# Altium PCB host_board.PcbDoc (part 7 of 8)
Units mm, origin at the board's own origin, x right, y up, seen from the top; angles counter-clockwise.
Board outline 87.41 x 55.77 mm, 4 copper layers (Top Layer, GND, Power, Bottom Layer), stack 1.59 mm thick; 232 components, 252 nets, 1101 pads, 689 vias.
Unrouted connection lines stored in the file: 17.
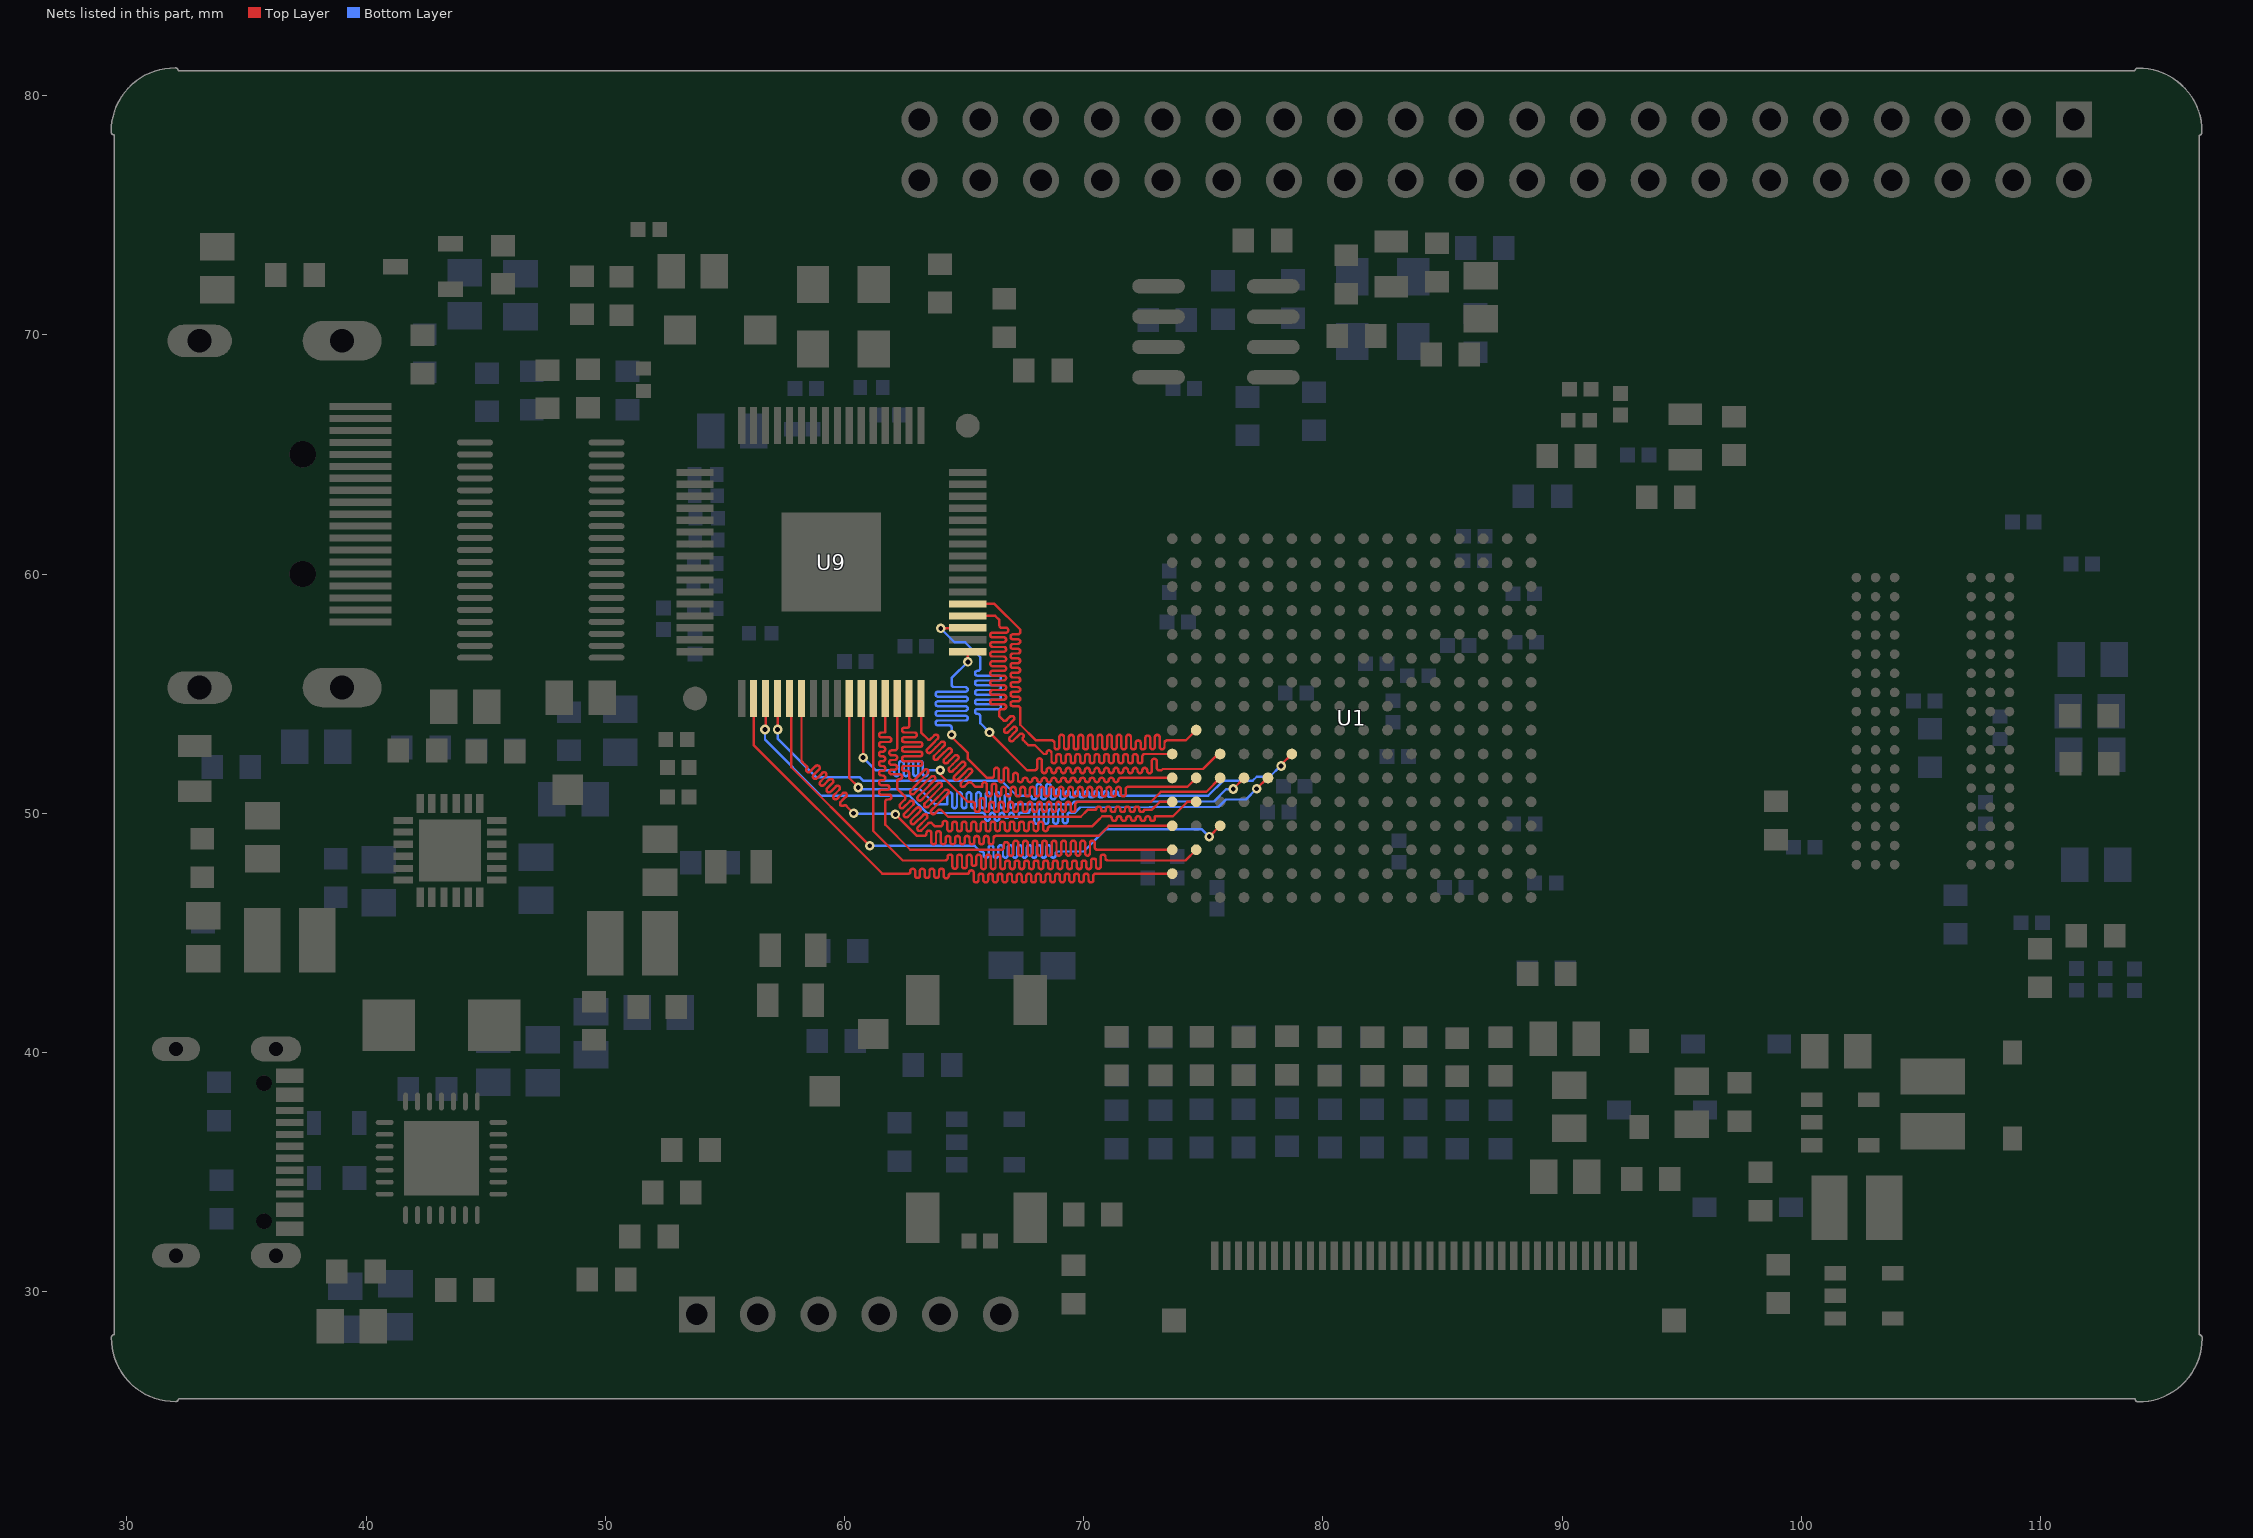
[diagram p9: the nets of this part, all layers, seen from the top]

## Via types
v1: diameter 0.4, hole 0.2, Top Layer to Bottom Layer, tented both sides, 664 vias
v2: diameter 0.5, hole 0.2, Top Layer to Bottom Layer, 9 vias
v3: diameter 0.4, hole 0.2, Top Layer to Bottom Layer, 7 vias
v4: diameter 0.4/0.4/0.4/0.4 (per signal layer), hole 0.2, Top Layer to Bottom Layer, tented both sides, 5 vias
v5: diameter 3, hole 3, Top Layer to Bottom Layer, tented both sides, 4 vias

## Nets (pads, with @x,y where several pads share a name; then routed paths per layer and width w, separated by ;. In a path a pad name is that pad's centre, name@x,y a point inside that pad or via, vN(x,y) a via of type N, cw(c..) or ccw(c..) an arc to the next point about the centre after c; other vN are vias at no path point) (continued)
HDMI_D5: U1.H15 U9.37 | length 31.1
  Top Layer w0.1: U9.37@65.15,58.75 66.266,58.75 67.343,57.674 67.343,57.625 67.343,57.575 cw(c67.243,57.575) 67.243,57.475 67.036,57.475 ccw(c67.036,57.375) 66.936,57.375 ccw(c67.036,57.375) 67.036,57.275 67.243,57.275 cw(c67.243,57.175) 67.343,57.175 cw(c67.243,57.175) 67.243,57.075 67.036,57.075 ccw(c67.036,56.975) 66.936,56.975 ccw(c67.036,56.975) 67.036,56.875 67.243,56.875 cw(c67.243,56.775) 67.343,56.775 cw(c67.243,56.775) 67.243,56.675 67.036,56.675 ccw(c67.036,56.575) 66.936,56.575 ccw(c67.036,56.575) 67.036,56.475 67.243,56.475 cw(c67.243,56.375) 67.343,56.375 cw(c67.243,56.375) 67.243,56.275 67.036,56.275 ccw(c67.036,56.175) 66.936,56.175 ccw(c67.036,56.175) 67.036,56.075 67.243,56.075 cw(c67.243,55.975) 67.343,55.975 cw(c67.243,55.975) 67.243,55.875 67.036,55.875 ccw(c67.036,55.775) 66.936,55.775 ccw(c67.036,55.775) 67.036,55.675 67.243,55.675 cw(c67.243,55.575) 67.343,55.575 cw(c67.243,55.575) 67.243,55.475 67.036,55.475 ccw(c67.036,55.375) 66.936,55.375 ccw(c67.036,55.375) 67.036,55.275 67.243,55.275 cw(c67.243,55.175) 67.343,55.175 cw(c67.243,55.175) 67.243,55.075 67.036,55.075 ccw(c67.036,54.975) 66.936,54.975 ccw(c67.036,54.975) 67.036,54.875 67.243,54.875 cw(c67.243,54.775) 67.343,54.775 cw(c67.243,54.775) 67.243,54.675 67.036,54.675 ccw(c67.036,54.575) 66.936,54.575 ccw(c67.036,54.575) 67.036,54.475 67.243,54.475 cw(c67.243,54.375) 67.343,54.375 67.343,53.7 68.001,53.042 68.65,53.042 68.675,53.042 cw(c68.675,52.942) 68.775,52.942 68.775,52.768 ccw(c68.875,52.768) 68.875,52.668 ccw(c68.875,52.768) 68.975,52.768 68.975,53.042 68.975,53.178 cw(c69.075,53.178) 69.075,53.278 cw(c69.075,53.178) 69.175,53.178 69.175,53.042 69.175,52.768 ccw(c69.275,52.768) 69.275,52.668 ccw(c69.275,52.768) 69.375,52.768 69.375,53.042 69.375,53.178 cw(c69.475,53.178) 69.475,53.278 cw(c69.475,53.178) 69.575,53.178 69.575,53.042 69.575,52.768 ccw(c69.675,52.768) 69.675,52.668 ccw(c69.675,52.768) 69.775,52.768 69.775,53.042 69.775,53.178 cw(c69.875,53.178) 69.875,53.278 cw(c69.875,53.178) 69.975,53.178 69.975,53.042 69.975,52.768 ccw(c70.075,52.768) 70.075,52.668 ccw(c70.075,52.768) 70.175,52.768 70.175,53.042 70.175,53.178 cw(c70.275,53.178) 70.275,53.278 cw(c70.275,53.178) 70.375,53.178 70.375,53.042 70.375,52.768 ccw(c70.475,52.768) 70.475,52.668 ccw(c70.475,52.768) 70.575,52.768 70.575,53.042 70.575,53.178 cw(c70.675,53.178) 70.675,53.278 cw(c70.675,53.178) 70.775,53.178 70.775,53.042 70.775,52.768 ccw(c70.875,52.768) 70.875,52.668 ccw(c70.875,52.768) 70.975,52.768 70.975,53.042 70.975,53.178 cw(c71.075,53.178) 71.075,53.278 cw(c71.075,53.178) 71.175,53.178 71.175,53.042 71.175,52.768 ccw(c71.275,52.768) 71.275,52.668 ccw(c71.275,52.768) 71.375,52.768 71.375,53.042 71.375,53.178 cw(c71.475,53.178) 71.475,53.278 cw(c71.475,53.178) 71.575,53.178 71.575,53.042 71.575,52.768 ccw(c71.675,52.768) 71.675,52.668 ccw(c71.675,52.768) 71.775,52.768 71.775,53.042 71.775,53.178 cw(c71.875,53.178) 71.875,53.278 cw(c71.875,53.178) 71.975,53.178 71.975,53.042 71.975,52.768 ccw(c72.075,52.768) 72.075,52.668 ccw(c72.075,52.768) 72.175,52.768 72.175,52.942 cw(c72.275,52.942) 72.275,53.042 cw(c72.275,52.942) 72.375,52.942 72.375,52.768 ccw(c72.475,52.768) 72.475,52.668 ccw(c72.475,52.768) 72.575,52.768 72.575,53.042 72.575,53.149 cw(c72.675,53.149) 72.675,53.249 cw(c72.675,53.149) 72.775,53.149 72.775,53.042 72.775,52.775 ccw(c72.875,52.775) 72.875,52.675 ccw(c72.875,52.775) 72.975,52.775 72.975,53.042 72.975,53.175 cw(c73.075,53.175) 73.075,53.275 cw(c73.075,53.175) 73.175,53.175 73.175,53.042 73.175,52.775 ccw(c73.275,52.775) 73.275,52.675 ccw(c73.275,52.775) 73.375,52.775 73.375,52.942 cw(c73.475,52.942) 73.475,53.042 74.267,53.042 U1.H15@74.7,53.475
HDMI_D6: U1.G16 U9.36 | length 31.8
  Top Layer w0.1: U9.36@65.15,58.25 66.3,58.25 66.475,58.075 66.475,57.975 66.475,57.95 66.475,57.85 ccw(c66.575,57.85) 66.575,57.75 66.746,57.75 cw(c66.746,57.65) 66.846,57.65 cw(c66.746,57.65) 66.746,57.55 66.475,57.55 66.191,57.55 ccw(c66.191,57.45) 66.091,57.45 ccw(c66.191,57.45) 66.191,57.35 66.475,57.35 66.656,57.35 cw(c66.656,57.25) 66.756,57.25 cw(c66.656,57.25) 66.656,57.15 66.475,57.15 66.191,57.15 ccw(c66.191,57.05) 66.091,57.05 ccw(c66.191,57.05) 66.191,56.95 66.475,56.95 66.656,56.95 cw(c66.656,56.85) 66.756,56.85 cw(c66.656,56.85) 66.656,56.75 66.475,56.75 66.191,56.75 ccw(c66.191,56.65) 66.091,56.65 ccw(c66.191,56.65) 66.191,56.55 66.475,56.55 66.656,56.55 cw(c66.656,56.45) 66.756,56.45 cw(c66.656,56.45) 66.656,56.35 66.475,56.35 66.191,56.35 ccw(c66.191,56.25) 66.091,56.25 ccw(c66.191,56.25) 66.191,56.15 66.475,56.15 66.656,56.15 cw(c66.656,56.05) 66.756,56.05 cw(c66.656,56.05) 66.656,55.95 66.475,55.95 66.191,55.95 ccw(c66.191,55.85) 66.091,55.85 ccw(c66.191,55.85) 66.191,55.75 66.475,55.75 66.656,55.75 cw(c66.656,55.65) 66.756,55.65 cw(c66.656,55.65) 66.656,55.55 66.475,55.55 66.191,55.55 ccw(c66.191,55.45) 66.091,55.45 ccw(c66.191,55.45) 66.191,55.35 66.475,55.35 66.656,55.35 cw(c66.656,55.25) 66.756,55.25 cw(c66.656,55.25) 66.656,55.15 66.475,55.15 66.191,55.15 ccw(c66.191,55.05) 66.091,55.05 ccw(c66.191,55.05) 66.191,54.95 66.475,54.95 66.656,54.95 cw(c66.656,54.85) 66.756,54.85 cw(c66.656,54.85) 66.656,54.75 66.475,54.75 66.191,54.75 ccw(c66.191,54.65) 66.091,54.65 ccw(c66.191,54.65) 66.191,54.55 66.475,54.55 66.656,54.55 cw(c66.656,54.45) 66.756,54.45 cw(c66.656,54.45) 66.656,54.35 66.575,54.35 ccw(c66.575,54.25) 66.475,54.25 66.475,54.15 66.475,54.05 66.562,53.962 66.564,53.961 66.635,53.89 ccw(c66.706,53.961) 66.776,53.89 66.923,54.036 cw(c66.993,53.965) 67.064,54.036 cw(c66.993,53.965) 67.064,53.895 66.847,53.678 66.698,53.529 ccw(c66.769,53.458) 66.698,53.387 ccw(c66.769,53.458) 66.839,53.387 66.989,53.536 67.037,53.585 cw(c67.108,53.514) 67.178,53.585 cw(c67.108,53.514) 67.178,53.443 67.13,53.395 66.913,53.178 ccw(c66.984,53.107) 66.913,53.037 ccw(c66.984,53.107) 67.055,53.037 67.271,53.254 67.318,53.3 cw(c67.389,53.23) 67.46,53.3 cw(c67.389,53.23) 67.46,53.159 ccw(c67.506,53.112) 67.46,53.065 67.554,52.971 67.625,52.9 67.683,52.842 67.958,52.842 68.325,52.475 68.4,52.475 ccw(c68.4,52.525) 68.45,52.525 cw(c68.55,52.525) 68.55,52.625 cw(c68.55,52.525) 68.65,52.525 68.65,52.475 68.65,52.187 ccw(c68.75,52.187) 68.75,52.087 ccw(c68.75,52.187) 68.85,52.187 68.85,52.375 cw(c68.95,52.375) 68.95,52.475 cw(c68.95,52.375) 69.05,52.375 69.05,52.187 ccw(c69.15,52.187) 69.15,52.087 ccw(c69.15,52.187) 69.25,52.187 69.25,52.375 cw(c69.35,52.375) 69.35,52.475 cw(c69.35,52.375) 69.45,52.375 69.45,52.187 ccw(c69.55,52.187) 69.55,52.087 ccw(c69.55,52.187) 69.65,52.187 69.65,52.375 cw(c69.75,52.375) 69.75,52.475 cw(c69.75,52.375) 69.85,52.375 69.85,52.187 ccw(c69.95,52.187) 69.95,52.087 ccw(c69.95,52.187) 70.05,52.187 70.05,52.375 cw(c70.15,52.375) 70.15,52.475 cw(c70.15,52.375) 70.25,52.375 70.25,52.187 ccw(c70.35,52.187) 70.35,52.087 ccw(c70.35,52.187) 70.45,52.187 70.45,52.375 cw(c70.55,52.375) 70.55,52.475 cw(c70.55,52.375) 70.65,52.375 70.65,52.187 ccw(c70.75,52.187) 70.75,52.087 ccw(c70.75,52.187) 70.85,52.187 70.85,52.375 cw(c70.95,52.375) 70.95,52.475 cw(c70.95,52.375) 71.05,52.375 71.05,52.187 ccw(c71.15,52.187) 71.15,52.087 ccw(c71.15,52.187) 71.25,52.187 71.25,52.375 cw(c71.35,52.375) 71.35,52.475 cw(c71.35,52.375) 71.45,52.375 71.45,52.187 ccw(c71.55,52.187) 71.55,52.087 ccw(c71.55,52.187) 71.65,52.187 71.65,52.375 cw(c71.75,52.375) 71.75,52.475 cw(c71.75,52.375) 71.85,52.375 71.85,52.187 ccw(c71.95,52.187) 71.95,52.087 ccw(c71.95,52.187) 72.05,52.187 72.05,52.375 cw(c72.15,52.375) 72.15,52.475 cw(c72.15,52.375) 72.25,52.375 72.25,52.187 ccw(c72.35,52.187) 72.35,52.087 ccw(c72.35,52.187) 72.45,52.187 72.45,52.375 cw(c72.55,52.375) 72.55,52.475 U1.G16@73.7,52.475
HDMI_D7: U1.G14 U9.35 | length 30.3
  Top Layer w0.1: v1(64.025,57.725) 65.125,57.725 U9.35@65.15,57.75 ; v1@66.06,53.37 67.632,51.798 67.899,51.798 67.949,51.798 ccw(c67.949,51.898) 68.049,51.898 68.049,52.19 cw(c68.149,52.19) 68.249,52.19 68.249,51.775 ccw(c68.349,51.775) 68.449,51.775 68.449,51.797 cw(c68.549,51.797) 68.649,51.797 68.649,51.775 ccw(c68.749,51.775) 68.849,51.775 68.849,51.796 cw(c68.949,51.796) 69.049,51.796 69.049,51.775 ccw(c69.149,51.775) 69.249,51.775 69.249,51.796 cw(c69.349,51.796) 69.449,51.796 69.449,51.775 ccw(c69.549,51.775) 69.649,51.775 69.649,51.796 cw(c69.749,51.796) 69.849,51.796 69.849,51.775 ccw(c69.949,51.775) 70.049,51.775 70.049,51.796 cw(c70.149,51.796) 70.249,51.796 70.249,51.775 ccw(c70.349,51.775) 70.449,51.775 70.449,51.796 cw(c70.549,51.796) 70.649,51.796 70.649,51.775 ccw(c70.749,51.775) 70.849,51.775 70.849,51.796 cw(c70.949,51.796) 71.049,51.796 71.049,51.775 ccw(c71.149,51.775) 71.249,51.775 71.249,51.796 cw(c71.349,51.796) 71.449,51.796 71.449,51.775 ccw(c71.549,51.775) 71.649,51.775 71.649,51.796 cw(c71.749,51.796) 71.849,51.796 71.849,51.775 ccw(c71.949,51.775) 72.049,51.775 72.049,51.796 cw(c72.149,51.796) 72.249,51.796 72.249,51.775 ccw(c72.349,51.775) 72.449,51.775 72.449,51.796 cw(c72.549,51.796) 72.649,51.796 72.649,51.775 ccw(c72.749,51.775) 72.849,51.775 72.849,52.175 cw(c72.949,52.175) 73.049,52.175 73.049,51.898 ccw(c73.149,51.898) 73.149,51.798 73.25,51.798 73.302,51.85 73.477,51.85 74.983,51.85 75.608,52.475 U1.G14@75.7,52.475
  Bottom Layer w0.1: v1(64.025,57.725) 64.6,57.15 65.041,57.15 65.673,56.518 65.673,56.05 cw(c65.573,56.05) 65.573,55.95 65.553,55.95 ccw(c65.553,55.85) 65.453,55.85 ccw(c65.553,55.85) 65.553,55.75 65.673,55.75 66.442,55.75 cw(c66.442,55.65) 66.542,55.65 cw(c66.442,55.65) 66.442,55.55 65.673,55.55 65.553,55.55 ccw(c65.553,55.45) 65.453,55.45 ccw(c65.553,55.45) 65.553,55.35 65.673,55.35 66.442,55.35 cw(c66.442,55.25) 66.542,55.25 cw(c66.442,55.25) 66.442,55.15 65.673,55.15 65.553,55.15 ccw(c65.553,55.05) 65.453,55.05 ccw(c65.553,55.05) 65.553,54.95 65.673,54.95 66.442,54.95 cw(c66.442,54.85) 66.542,54.85 cw(c66.442,54.85) 66.442,54.75 65.673,54.75 65.553,54.75 ccw(c65.553,54.65) 65.453,54.65 ccw(c65.553,54.65) 65.553,54.55 65.673,54.55 66.442,54.55 cw(c66.442,54.45) 66.542,54.45 cw(c66.442,54.45) 66.442,54.35 65.673,54.35 65.553,54.35 ccw(c65.553,54.25) 65.453,54.25 ccw(c65.553,54.25) 65.553,54.15 65.573,54.15 cw(c65.573,54.05) 65.673,54.05 65.673,53.767 v1(66.06,53.38)
HDMI_D8: U1.F16 U9.33 | length 28.5
  Top Layer w0.1: v1@64.435,53.238 65.158,52.516 65.158,52.267 65.95,51.475 66.05,51.475 66.15,51.475 ccw(c66.15,51.575) 66.25,51.575 66.25,51.798 cw(c66.35,51.798) 66.35,51.898 cw(c66.35,51.798) 66.45,51.798 66.45,51.475 66.45,51.4 ccw(c66.55,51.4) 66.55,51.3 ccw(c66.55,51.4) 66.65,51.4 66.65,51.475 66.65,51.798 cw(c66.75,51.798) 66.75,51.898 cw(c66.75,51.798) 66.85,51.798 66.85,51.475 66.85,51.4 ccw(c66.95,51.4) 66.95,51.3 ccw(c66.95,51.4) 67.05,51.4 67.05,51.475 67.05,51.588 cw(c67.15,51.588) 67.15,51.688 cw(c67.15,51.588) 67.25,51.588 67.25,51.475 67.25,51.4 ccw(c67.35,51.4) 67.35,51.3 ccw(c67.35,51.4) 67.45,51.4 cw(c67.525,51.4) 67.525,51.475 67.575,51.475 cw(c67.575,51.4) 67.65,51.4 ccw(c67.75,51.4) 67.75,51.3 ccw(c67.75,51.4) 67.85,51.4 cw(c67.925,51.4) 67.925,51.475 67.975,51.475 cw(c67.975,51.4) 68.05,51.4 ccw(c68.15,51.4) 68.15,51.3 ccw(c68.15,51.4) 68.25,51.4 cw(c68.325,51.4) 68.325,51.475 68.375,51.475 cw(c68.375,51.4) 68.45,51.4 ccw(c68.55,51.4) 68.55,51.3 ccw(c68.55,51.4) 68.65,51.4 cw(c68.725,51.4) 68.725,51.475 68.775,51.475 cw(c68.775,51.4) 68.85,51.4 ccw(c68.95,51.4) 68.95,51.3 ccw(c68.95,51.4) 69.05,51.4 cw(c69.125,51.4) 69.125,51.475 69.175,51.475 cw(c69.175,51.4) 69.25,51.4 ccw(c69.35,51.4) 69.35,51.3 ccw(c69.35,51.4) 69.45,51.4 cw(c69.525,51.4) 69.525,51.475 69.575,51.475 cw(c69.575,51.4) 69.65,51.4 ccw(c69.75,51.4) 69.75,51.3 ccw(c69.75,51.4) 69.85,51.4 cw(c69.925,51.4) 69.925,51.475 69.975,51.475 cw(c69.975,51.4) 70.05,51.4 ccw(c70.15,51.4) 70.15,51.3 ccw(c70.15,51.4) 70.25,51.4 cw(c70.325,51.4) 70.325,51.475 70.375,51.475 cw(c70.375,51.4) 70.45,51.4 ccw(c70.55,51.4) 70.55,51.3 ccw(c70.55,51.4) 70.65,51.4 cw(c70.725,51.4) 70.725,51.475 70.775,51.475 cw(c70.775,51.4) 70.85,51.4 ccw(c70.95,51.4) 70.95,51.3 ccw(c70.95,51.4) 71.05,51.4 cw(c71.125,51.4) 71.125,51.475 71.175,51.475 cw(c71.175,51.4) 71.25,51.4 ccw(c71.35,51.4) 71.35,51.3 ccw(c71.35,51.4) 71.45,51.4 cw(c71.525,51.4) 71.525,51.475 71.55,51.475 U1.F16@73.7,51.475 ; U9.33@65.15,56.75 65.158,56.742 v1(65.158,56.325)
  Bottom Layer w0.1: v1(64.475,53.278) 64.475,53.575 ccw(c64.375,53.575) 64.375,53.675 63.902,53.675 cw(c63.902,53.775) 63.802,53.775 cw(c63.902,53.775) 63.902,53.875 64.475,53.875 65.048,53.875 ccw(c65.048,53.975) 65.148,53.975 ccw(c65.048,53.975) 65.048,54.075 64.475,54.075 63.902,54.075 cw(c63.902,54.175) 63.802,54.175 cw(c63.902,54.175) 63.902,54.275 64.475,54.275 65.048,54.275 ccw(c65.048,54.375) 65.148,54.375 ccw(c65.048,54.375) 65.048,54.475 64.475,54.475 63.902,54.475 cw(c63.902,54.575) 63.802,54.575 cw(c63.902,54.575) 63.902,54.675 64.475,54.675 65.048,54.675 ccw(c65.048,54.775) 65.148,54.775 ccw(c65.048,54.775) 65.048,54.875 64.475,54.875 63.902,54.875 cw(c63.902,54.975) 63.802,54.975 cw(c63.902,54.975) 63.902,55.075 64.475,55.075 65.048,55.075 ccw(c65.048,55.175) 65.148,55.175 ccw(c65.048,55.175) 65.048,55.275 64.575,55.275 cw(c64.575,55.375) 64.475,55.375 64.475,55.475 64.475,55.5 64.475,55.65 v1@65.175,56.35
HDMI_D9: U1.F15 U9.32 | length 32
  Top Layer w0.1: U9.32@63.2,54.8 63.2,53.375 63.5,53.075 ccw(c63.536,53.111) 63.572,53.075 63.748,53.251 cw(c63.819,53.18) 63.89,53.251 cw(c63.819,53.18) 63.89,53.11 63.678,52.897 63.465,52.685 ccw(c63.536,52.615) 63.465,52.544 ccw(c63.536,52.615) 63.607,52.544 63.819,52.756 64.031,52.968 cw(c64.102,52.897) 64.173,52.968 cw(c64.102,52.897) 64.173,52.827 63.96,52.615 63.748,52.402 ccw(c63.819,52.332) 63.748,52.261 ccw(c63.819,52.332) 63.89,52.261 64.102,52.473 64.314,52.685 cw(c64.385,52.615) 64.455,52.685 cw(c64.385,52.615) 64.455,52.544 64.243,52.332 64.165,52.254 ccw(c64.236,52.183) 64.165,52.112 ccw(c64.236,52.183) 64.307,52.112 64.385,52.19 64.597,52.402 cw(c64.668,52.332) 64.738,52.402 cw(c64.668,52.332) 64.738,52.261 64.526,52.049 64.378,51.901 ccw(c64.449,51.83) 64.378,51.76 ccw(c64.449,51.83) 64.52,51.76 64.668,51.907 64.88,52.12 cw(c64.95,52.049) 65.021,52.12 cw(c64.95,52.049) 65.021,51.978 64.809,51.766 64.597,51.554 ccw(c64.668,51.483) 64.597,51.413 ccw(c64.668,51.483) 64.738,51.413 64.95,51.625 65.162,51.837 cw(c65.233,51.766) 65.304,51.837 cw(c65.233,51.766) 65.304,51.695 65.092,51.483 64.88,51.271 ccw(c64.95,51.2) 64.88,51.13 ccw(c64.95,51.2) 65.021,51.13 65.162,51.271 cw(c65.233,51.2) 65.304,51.271 65.475,51.1 65.75,51.1 65.75,51.192 cw(c65.85,51.192) 65.85,51.292 cw(c65.85,51.192) 65.95,51.192 65.95,51.1 65.95,50.8 ccw(c66.05,50.8) 66.05,50.7 ccw(c66.05,50.8) 66.15,50.8 66.15,51.1 66.15,51.135 cw(c66.25,51.135) 66.25,51.235 cw(c66.25,51.135) 66.35,51.135 66.35,51.1 66.35,50.8 ccw(c66.45,50.8) 66.45,50.7 ccw(c66.45,50.8) 66.55,50.8 66.55,51 cw(c66.65,51) 66.65,51.1 cw(c66.65,51) 66.75,51 66.75,50.8 ccw(c66.85,50.8) 66.85,50.7 ccw(c66.85,50.8) 66.95,50.8 66.95,51 cw(c67.05,51) 67.05,51.1 cw(c67.05,51) 67.15,51 67.15,50.8 ccw(c67.25,50.8) 67.25,50.7 ccw(c67.25,50.8) 67.35,50.8 67.35,51 cw(c67.45,51) 67.45,51.1 cw(c67.45,51) 67.55,51 67.55,50.8 ccw(c67.65,50.8) 67.65,50.7 ccw(c67.65,50.8) 67.75,50.8 67.75,51 cw(c67.85,51) 67.85,51.1 cw(c67.85,51) 67.95,51 67.95,50.8 ccw(c68.05,50.8) 68.05,50.7 ccw(c68.05,50.8) 68.15,50.8 68.15,51 cw(c68.25,51) 68.25,51.1 cw(c68.25,51) 68.35,51 68.35,50.8 ccw(c68.45,50.8) 68.45,50.7 ccw(c68.45,50.8) 68.55,50.8 68.55,51 cw(c68.65,51) 68.65,51.1 cw(c68.65,51) 68.75,51 68.75,50.8 ccw(c68.85,50.8) 68.85,50.7 ccw(c68.85,50.8) 68.95,50.8 68.95,51 cw(c69.05,51) 69.05,51.1 cw(c69.05,51) 69.15,51 69.15,50.8 ccw(c69.25,50.8) 69.25,50.7 ccw(c69.25,50.8) 69.35,50.8 69.35,51 cw(c69.45,51) 69.45,51.1 cw(c69.45,51) 69.55,51 69.55,50.8 ccw(c69.65,50.8) 69.65,50.7 ccw(c69.65,50.8) 69.75,50.8 69.75,51 cw(c69.85,51) 69.85,51.1 cw(c69.85,51) 69.95,51 69.95,50.8 ccw(c70.05,50.8) 70.05,50.7 ccw(c70.05,50.8) 70.15,50.8 70.15,51 cw(c70.25,51) 70.25,51.1 cw(c70.25,51) 70.35,51 70.35,50.8 ccw(c70.45,50.8) 70.45,50.7 ccw(c70.45,50.8) 70.55,50.8 70.55,51 cw(c70.65,51) 70.65,51.1 cw(c70.65,51) 70.75,51 70.75,50.8 ccw(c70.85,50.8) 70.85,50.7 ccw(c70.85,50.8) 70.95,50.8 70.95,51 cw(c71.05,51) 71.05,51.1 cw(c71.05,51) 71.15,51 71.15,50.8 ccw(c71.25,50.8) 71.25,50.7 ccw(c71.25,50.8) 71.35,50.8 71.35,51 cw(c71.45,51) 71.45,51.1 cw(c71.45,51) 71.55,51 71.55,50.8 ccw(c71.65,50.8) 71.65,50.7 ccw(c71.65,50.8) 71.75,50.8 71.75,51 cw(c71.85,51) 71.85,51.1 74.325,51.1 U1.F15@74.7,51.475
HDMI_D10: U1.E16 U9.31 | length 31.4
  Top Layer w0.1: U9.31@62.7,54.8 62.7,53.65 cw(c62.625,53.65) 62.625,53.575 62.5,53.575 ccw(c62.5,53.475) 62.4,53.475 ccw(c62.5,53.475) 62.5,53.375 62.7,53.375 62.917,53.375 cw(c62.917,53.275) 63.017,53.275 cw(c62.917,53.275) 62.917,53.175 62.7,53.175 62.5,53.175 ccw(c62.5,53.075) 62.4,53.075 ccw(c62.5,53.075) 62.5,52.975 62.7,52.975 63.15,52.975 cw(c63.15,52.875) 63.25,52.875 cw(c63.15,52.875) 63.15,52.775 62.7,52.775 62.5,52.775 ccw(c62.5,52.675) 62.4,52.675 ccw(c62.5,52.675) 62.5,52.575 62.7,52.575 63.15,52.575 cw(c63.15,52.475) 63.25,52.475 cw(c63.15,52.475) 63.15,52.375 62.7,52.375 62.5,52.375 ccw(c62.5,52.275) 62.4,52.275 ccw(c62.5,52.275) 62.5,52.175 62.7,52.175 63.15,52.175 cw(c63.15,52.075) 63.25,52.075 cw(c63.15,52.075) 63.15,51.975 62.7,51.975 62.5,51.975 ccw(c62.5,51.875) 62.4,51.875 ccw(c62.5,51.875) 62.5,51.775 62.6,51.775 cw(c62.6,51.675) 62.7,51.675 62.7,51.475 62.781,51.394 ccw(c62.852,51.465) 62.922,51.394 63.338,51.81 cw(c63.409,51.739) 63.48,51.81 cw(c63.409,51.739) 63.48,51.669 62.993,51.182 62.764,50.953 ccw(c62.835,50.883) 62.764,50.812 ccw(c62.835,50.883) 62.906,50.812 63.134,51.041 63.621,51.527 cw(c63.692,51.456) 63.763,51.527 cw(c63.692,51.456) 63.763,51.386 63.276,50.899 63.074,50.697 ccw(c63.145,50.627) 63.074,50.556 ccw(c63.145,50.627) 63.216,50.556 63.417,50.758 63.904,51.244 cw(c63.975,51.174) 64.045,51.244 cw(c63.975,51.174) 64.045,51.103 63.559,50.616 63.357,50.415 ccw(c63.428,50.344) 63.357,50.273 ccw(c63.428,50.344) 63.498,50.273 63.7,50.475 64.187,50.961 cw(c64.258,50.891) 64.328,50.961 cw(c64.258,50.891) 64.328,50.82 63.842,50.333 63.64,50.132 ccw(c63.711,50.061) 63.64,49.99 ccw(c63.711,50.061) 63.781,49.99 63.912,50.121 cw(c63.983,50.051) 64.054,50.121 64.124,50.051 64.125,50.05 64.325,49.85 69.875,49.85 70.162,50.137 70.175,50.137 70.325,50.137 70.487,50.137 ccw(c70.487,50.175) 70.525,50.175 cw(c70.625,50.175) 70.625,50.275 cw(c70.625,50.175) 70.725,50.175 70.725,50.137 ccw(c70.788,50.137) 70.788,50.075 70.862,50.075 ccw(c70.862,50.137) 70.925,50.137 70.925,50.175 cw(c71.025,50.175) 71.025,50.275 cw(c71.025,50.175) 71.125,50.175 71.125,50.137 ccw(c71.213,50.137) 71.213,50.05 71.237,50.05 ccw(c71.237,50.137) 71.325,50.137 71.325,50.175 cw(c71.425,50.175) 71.425,50.275 cw(c71.425,50.175) 71.525,50.175 71.525,50.137 ccw(c71.613,50.137) 71.613,50.05 71.637,50.05 ccw(c71.637,50.137) 71.725,50.137 71.725,50.175 cw(c71.825,50.175) 71.825,50.275 cw(c71.825,50.175) 71.925,50.175 71.925,50.137 ccw(c72.013,50.137) 72.013,50.05 72.037,50.05 ccw(c72.037,50.137) 72.125,50.137 72.125,50.175 cw(c72.225,50.175) 72.225,50.275 cw(c72.225,50.175) 72.325,50.175 72.325,50.137 ccw(c72.413,50.137) 72.413,50.05 72.437,50.05 ccw(c72.437,50.137) 72.525,50.137 72.625,50.137 72.837,50.137 73.175,50.475 U1.E16@73.7,50.475